# Altium PCB relay_matrix.PcbDoc (part 2 of 9) (continued)
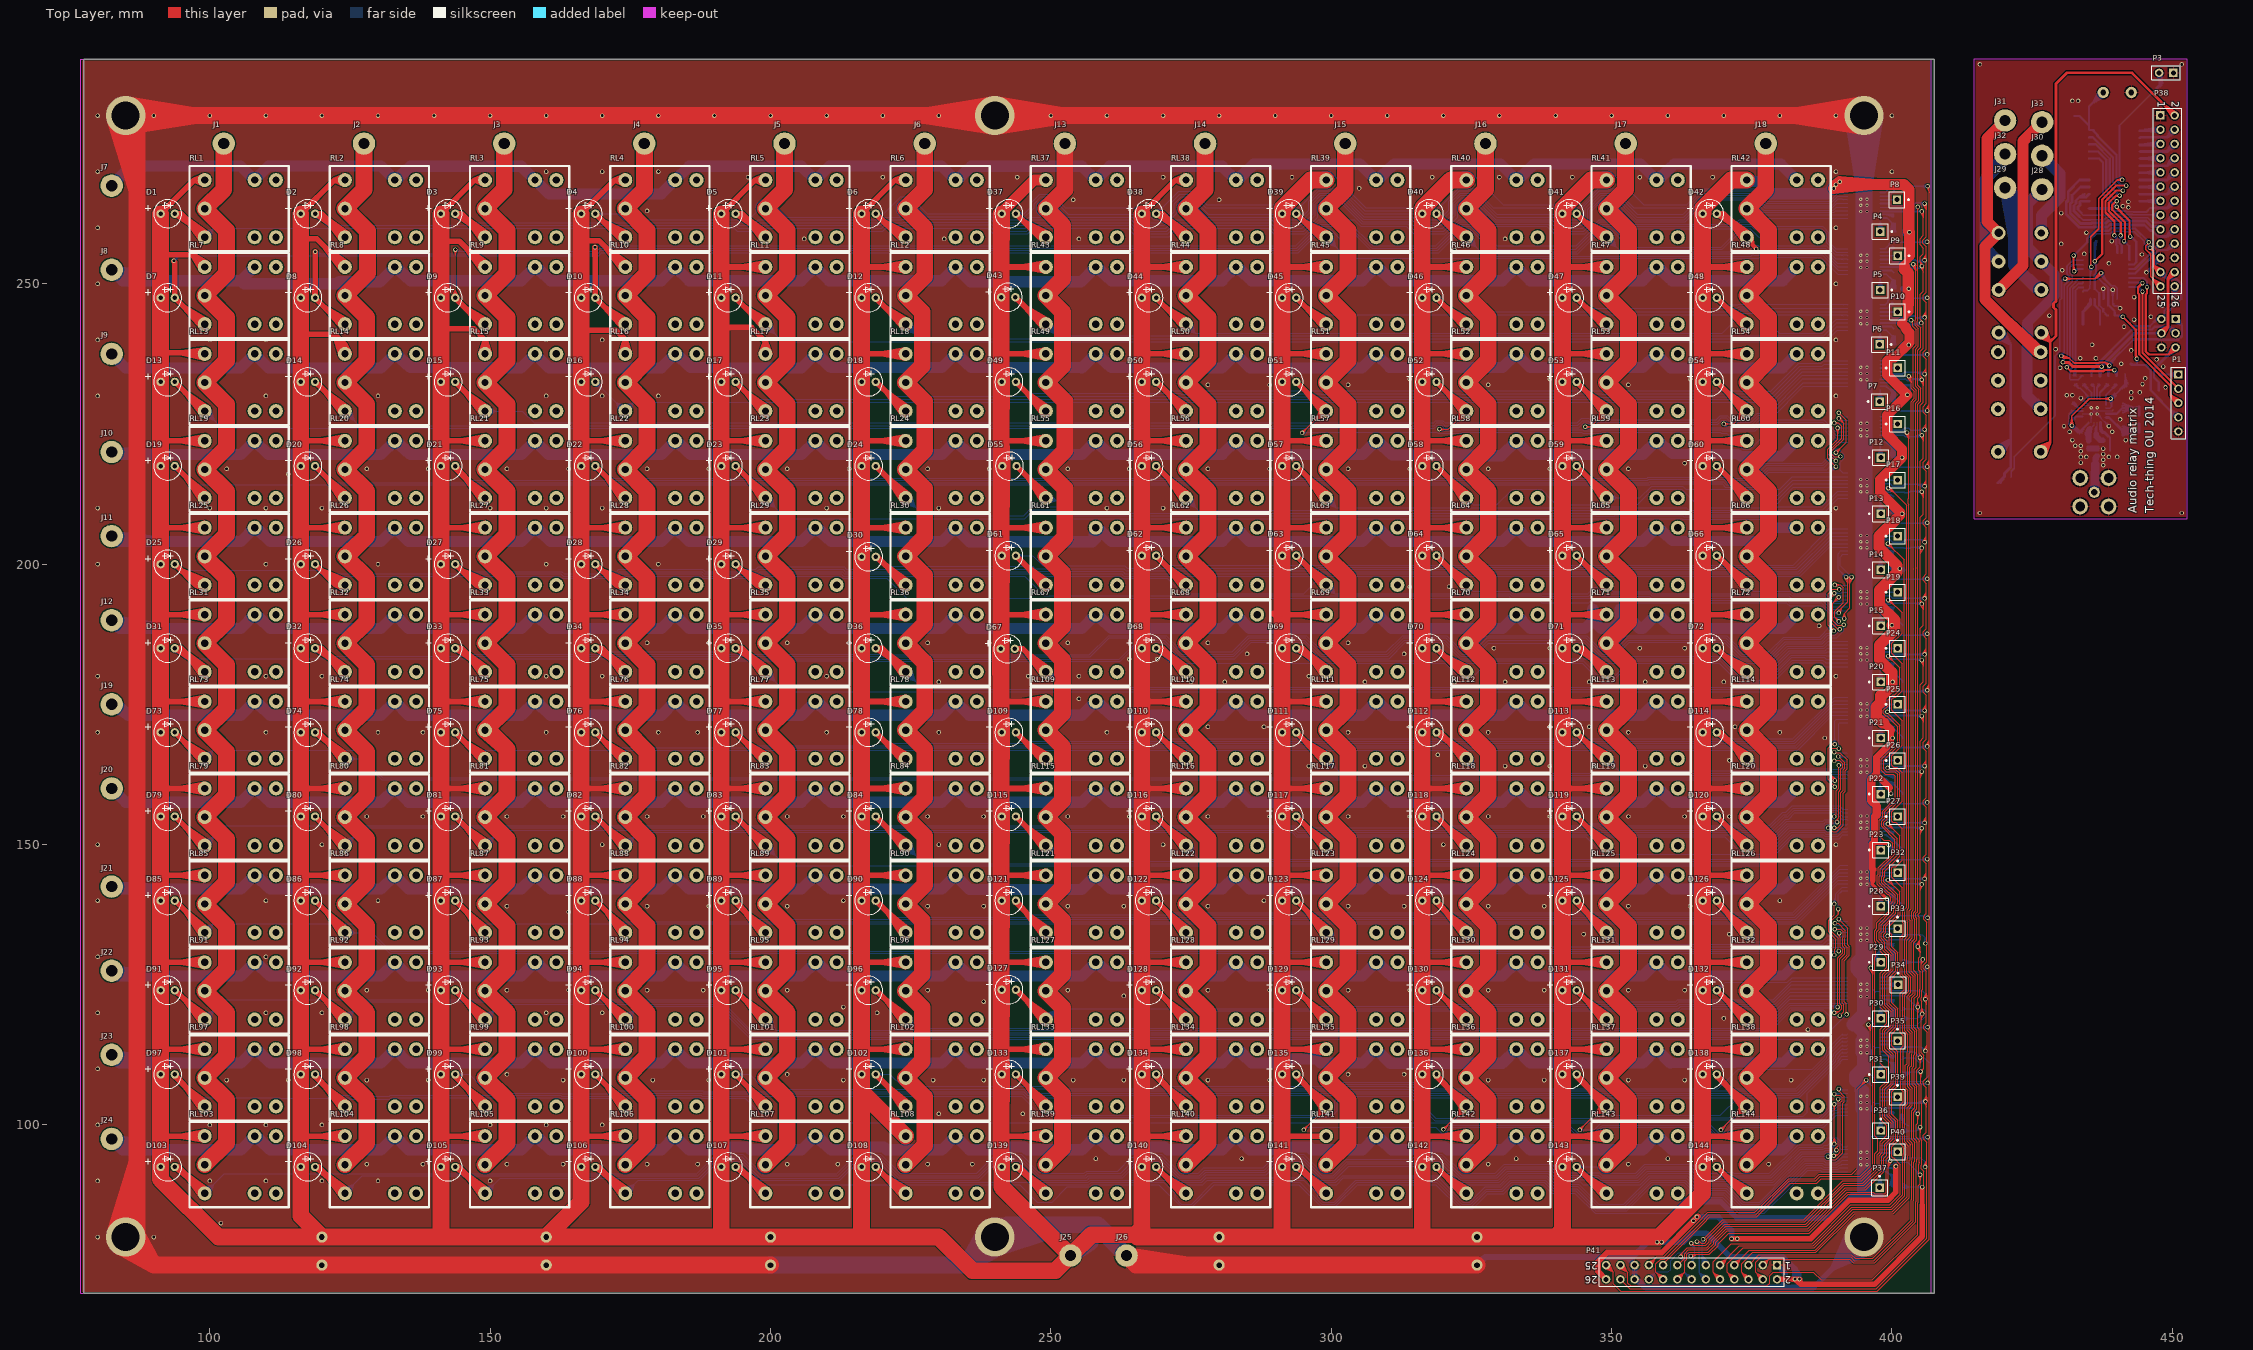
[diagram p0: Top Layer view]
## Nets (pads, with @x,y where several pads share a name; then routed paths per layer and width w, separated by ;. In a path a pad name is that pad's centre, name@x,y a point inside that pad or via, vN(x,y) a via of type N, cw(c..) or ccw(c..) an arc to the next point about the centre after c; other vN are vias at no path point) (continued)
  Top Layer w1.2: 396.65,145.556 396.45,145.756 396.45,150.081 396.869,150.501 396.869,154.881 396.994,155.006 ; 399.55,160.15 397.225,162.475 397.225,165.553 399.8,168.128 399.8,170.397 ; 402.599,253.997 403.1,254.497 403.1,255.063
  Top Layer w1.5: 396.994,155.006 397.3,155.312 397.3,156.856 396.3,157.856 396.3,161.55 397.225,162.475 ; 398,176.6 398.55,176.6 399.95,178 v1(400.1,179) ; 398.522,171.675 399.8,170.397
  Top Layer w1.8: 400.7,208.001 401.399,208.7 401.399,209.301 397.872,212.828 397.872,215.073 ; 401.8,242.9 402.525,242.175 402.525,241.907 403.1,241.332 403.1,239.5 400.45,236.85 399.794,236.85 399.15,236.206 399.15,233.75 ; 402.899,245.049 402.899,246.298 ; 397.872,215.073 v1(401.799,219) ; 397.872,215.073 v1(401.799,219) ; 399.15,226.6 v1(402.75,230.2) ; 399.15,226.6 399.15,223.15 401.799,220.501 v1(401.799,219) ; 399.15,226.6 v1(402.75,230.2) ; 399.15,233.75 v1(402.75,230.2) ; 399.15,233.75 402.7,230.2 v1(402.75,230.2)
  Top Layer w2: D37.1@241.23,262.5 241.23,262.718 247.012,268.5 ; 398,176.6 398,175.329 397.175,174.503 397.175,172.847 398.346,171.675 398.522,171.675 ; 399.95,178 399.95,180.732 397.747,182.934 397.747,185.547 400.499,188.299 ; 400.7,208.001 397.685,204.985 397.685,202.997 400.899,199.782 400.899,198.5 397.747,195.348 397.747,192.753 400.499,190.001 ; 402.199,253.05 402.199,252.6 402.899,251.9 402.899,246.298 ; 247.012,268.5 RL37.1@249.1,268.5 ; 247.012,268.5 RL37.1@249.1,268.5 ; 247.012,268.5 RL37.1@249.1,268.5 ; v1(389.6,267) v1(390,267.7) ; v1(389.6,267) v1(390,267.7) ; v1(389.6,267) v1(390,267.7) ; v1(389.6,267) 396.387,267.7 v1(390,267.7) ; v1(389.6,267) v1(390,267.7) ; v1(389.6,267) v1(390.7,268.2) ; v1(390,267.7) v1(390.7,268.2) ; v1(390,267.7) 397.327,267.7 v1(390.7,268.2) ; v1(390,267.7) v1(390.7,268.2) ; v1(390,267.7) v1(390.7,268.2) ; v1(390,267.7) 402.1,267.7 402.999,266.801 402.999,259.301 v1(403.1,259.2) ; v1(400,189.1) 400.499,188.299 ; v1(400,189.1) 400.499,190.001 ; v1(400,189.1) 400.499,188.299 ; v1(400,189.1) 400.499,190.001 ; 400.499,188.299 400.499,190.001 ; v1(403.1,259.2) 403.1,255.063 v1(403.1,259.2)
  Top Layer w3: 91.23,99.25 D97.1@91.23,109 ; 91.23,114.25 D91.1@91.23,124 ; 91.23,130.25 D85.1@91.23,140 ; 91.23,145.25 D79.1@91.23,155 ; 91.23,160.25 D73.1@91.23,170 ; 91.23,207.75 D19.1@91.23,217.5 ; 91.23,222.75 D13.1@91.23,232.5 ; 91.23,237.75 D7.1@91.23,247.5 ; 116.23,99.25 D98.1@116.23,109 ; 116.23,114.25 D92.1@116.23,124 ; 116.23,130.25 D86.1@116.23,140 ; 116.23,145.25 D80.1@116.23,155 ; 116.23,160.25 D74.1@116.23,170 ; 116.23,175.25 D32.1@116.23,185 ; 116.23,207.75 D20.1@116.23,217.5 ; 116.23,222.75 D14.1@116.23,232.5 ; 141.23,82.75 D105.1@141.23,92.5 ; 141.23,99.25 D99.1@141.23,109 ; 141.23,114.25 D93.1@141.23,124 ; 141.23,130.25 D87.1@141.23,140 ; 141.23,145.25 D81.1@141.23,155 ; 141.23,160.25 D75.1@141.23,170 ; 141.23,175.25 D33.1@141.23,185 ; 141.23,207.75 D21.1@141.23,217.5 ; 141.23,222.75 D15.1@141.23,232.5 ; 166.23,99.25 D100.1@166.23,109 ; 166.23,114.25 D94.1@166.23,124 ; 166.23,130.25 D88.1@166.23,140 ; 166.23,145.25 D82.1@166.23,155 ; 166.23,160.25 D76.1@166.23,170 ; 166.23,175.25 D34.1@166.23,185 ; 166.23,207.75 D22.1@166.23,217.5 ; 166.23,222.75 D16.1@166.23,232.5 ; 191.23,82.75 D107.1@191.23,92.5 ; 191.23,99.25 D101.1@191.23,109 ; 191.23,114.25 D95.1@191.23,124 ; 191.23,130.25 D89.1@191.23,140 ; 191.23,145.25 D83.1@191.23,155 ; 191.23,160.25 D77.1@191.23,170 ; 191.23,207.75 D23.1@191.23,217.5 ; 191.23,222.75 D17.1@191.23,232.5 ; 191.23,252.75 D5.1@191.23,262.5 191.23,252.7 D11.1@191.23,247.5 ; 216.23,82.75 D108.1@216.23,92.5 ; 216.23,114.25 D96.1@216.23,124 ; 216.23,130.25 D90.1@216.23,140 ; 216.23,145.25 D84.1@216.23,155 ; 216.23,160.25 D78.1@216.23,170 ; 216.23,175.25 D36.1@216.23,185 ; 216.23,191.55 D30.1@216.23,201.3 ; 216.23,207.75 D24.1@216.23,217.5 ; 216.23,222.75 D18.1@216.23,232.5 ; 216.512,105.633 RL108.1@224.1,98 ; RL108.1@224.1,98.046 216.23,105.916 ; D67.1@241.03,184.9 241.12,175.3 ; 241.12,99.243 D133.1@241.23,109 241.12,113.4 ; 241.12,114.343 D127.1@241.23,124.1 241.12,128.8 ; 241.12,130.243 D121.1@241.23,140 241.12,144.4 ; 241.12,145.243 D115.1@241.23,155 241.12,159.6 ; 241.12,160.243 D109.1@241.23,170 241.12,175.3 ; 241.12,191.743 D61.1@241.23,201.5 241.12,206 ; 241.12,207.725 D55.1@241.33,217.5 241.12,222.3 ; 241.12,222.743 D49.1@241.23,232.5 241.12,237.3 ; 241.12,237.85 D43.1@241.13,247.6 241.12,253 ; 245.136,85.064 J25.1@253.5,76.7 ; 266.23,82.75 D140.1@266.23,92.5 ; 266.23,99.25 D134.1@266.23,109 ; 266.23,114.25 D128.1@266.23,124 ; 266.23,130.25 D122.1@266.23,140 ; 266.23,145.25 D116.1@266.23,155 ; 266.23,160.25 D110.1@266.23,170 ; 266.23,191.75 D62.1@266.23,201.5 ; 266.23,207.75 D56.1@266.23,217.5 ; 266.23,222.75 D50.1@266.23,232.5 ; 291.23,82.75 D141.1@291.23,92.5 ; 291.23,99.25 D135.1@291.23,109 ; 291.23,114.25 D129.1@291.23,124 ; 291.23,130.25 D123.1@291.23,140 ; 291.23,191.75 D63.1@291.23,201.5 ; 291.23,207.75 D57.1@291.23,217.5 ; 291.23,222.75 D51.1@291.23,232.5 ; 316.23,82.75 D142.1@316.23,92.5 ; 316.23,99.25 D136.1@316.23,109 ; 316.23,114.25 D130.1@316.23,124 ; 316.23,130.25 D124.1@316.23,140 ; 316.23,145.25 D118.1@316.23,155 ; 316.23,160.25 D112.1@316.23,170 ; 316.23,191.75 D64.1@316.23,201.5 ; 316.23,207.75 D58.1@316.23,217.5 ; 316.23,222.75 D52.1@316.23,232.5 ; 341.23,82.75 D143.1@341.23,92.5 ; 341.23,99.25 D137.1@341.23,109 ; 341.23,114.25 D131.1@341.23,124 ; 341.23,130.25 D125.1@341.23,140 ; 341.23,145.25 D119.1@341.23,155 ; 341.23,160.25 D113.1@341.23,170 ; 341.23,191.75 D65.1@341.23,201.5 ; 341.23,207.75 D59.1@341.23,217.5 ; 341.23,222.75 D53.1@341.23,232.5 ; 366.23,99.25 D138.1@366.23,109 ; 366.23,114.25 D132.1@366.23,124 ; 366.23,130.25 D126.1@366.23,140 ; 366.23,145.25 D120.1@366.23,155 ; 366.23,191.75 D66.1@366.23,201.5 ; 366.23,207.75 D60.1@366.23,217.5 ; 366.23,222.75 D54.1@366.23,232.5 ; 366.23,237.75 D48.1@366.23,247.5 ; 91.23,90.3 D103.1@91.23,92.5 ; 91.23,90.3 D103.1@91.23,92.5 ; 91.23,90.3 D103.1@91.23,92.5 ; 91.23,90.3 101.53,80 C10.1@120,80 ; D103.1@91.23,92.5 91.23,97.9 D97.1@91.23,109 ; D97.1@91.23,109 91.23,113.7 D91.1@91.23,124 ; D91.1@91.23,124 91.23,129 D85.1@91.23,140 ; D85.1@91.23,140 91.23,144 D79.1@91.23,155 ; D79.1@91.23,155 91.23,160 D73.1@91.23,170 ; D73.1@91.23,170 91.23,175.8 ; 91.23,175.8 D31.1@91.23,185 ; 91.23,175.8 D31.1@91.23,185 ; D31.1@91.23,185 91.23,191.2 ; 91.23,191.2 D25.1@91.23,200 ; 91.23,191.2 D25.1@91.23,200 ; D25.1@91.23,200 91.23,206.4 D19.1@91.23,217.5 ; D19.1@91.23,217.5 91.23,221.7 D13.1@91.23,232.5 ; D13.1@91.23,232.5 91.23,237.3 D7.1@91.23,247.5 ; D7.1@91.23,247.5 91.23,252.7 91.23,255.2 ; 91.23,255.2 D1.1@91.23,262.5 91.23,255.2 ; 116.23,83.77 D104.1@116.23,92.5 ; 116.23,83.77 D104.1@116.23,92.5 ; 116.23,83.77 C10.1@120,80 ; D104.1@116.23,92.5 116.23,97.4 D98.1@116.23,109 ; D98.1@116.23,109 116.23,112.7 D92.1@116.23,124 ; D92.1@116.23,124 116.23,128.8 D86.1@116.23,140 ; D86.1@116.23,140 116.23,144.5 D80.1@116.23,155 ; D80.1@116.23,155 116.23,160 D74.1@116.23,170 ; D74.1@116.23,170 116.23,175.2 D32.1@116.23,185 ; D32.1@116.23,185 116.23,190.9 ; 116.23,190.9 D26.1@116.23,200 ; 116.23,190.9 D26.1@116.23,200 ; D26.1@116.23,200 116.23,205.8 D20.1@116.23,217.5 ; D20.1@116.23,217.5 116.23,222.2 D14.1@116.23,232.5 ; D14.1@116.23,232.5 116.23,240.8 ; 116.23,240.8 D8.1@116.23,247.5 ; 116.23,240.8 D8.1@116.23,247.5 ; D8.1@116.23,247.5 116.23,253 116.23,258 ; 116.23,258 D2.1@116.23,262.5 116.23,258 ; C10.1@120,80 141.2,80 ; 141.2,80 141.23,80.03 141.23,80.2 D105.1@141.23,92.5 ; 141.2,80 C12.1@160,80 ; D105.1@141.23,92.5 141.23,98.1 D99.1@141.23,109 ; D99.1@141.23,109 141.23,113.3 D93.1@141.23,124 ; D93.1@141.23,124 141.23,130.1 D87.1@141.23,140 ; D87.1@141.23,140 141.23,144.5 D81.1@141.23,155 ; D81.1@141.23,155 141.23,159.8 D75.1@141.23,170 ; D75.1@141.23,170 141.23,175.1 D33.1@141.23,185 ; D33.1@141.23,185 141.23,190.8 ; 141.23,190.8 D27.1@141.23,200 ; 141.23,190.8 D27.1@141.23,200 ; D27.1@141.23,200 141.23,205.3 D21.1@141.23,217.5 ; D21.1@141.23,217.5 141.23,221.9 D15.1@141.23,232.5 ; D15.1@141.23,232.5 141.23,242 ; 141.23,242 D9.1@141.23,247.5 ; 141.23,242 D9.1@141.23,247.5 ; D9.1@141.23,247.5 141.23,252.8 141.23,257.6 ; 141.23,257.6 D3.1@141.23,262.5 141.23,257.6 ; C12.1@160,80 166.23,86.23 ; C12.1@160,80 191,80 ; 166.23,86.23 D106.1@166.23,92.5 ; 166.23,86.23 D106.1@166.23,92.5 ; D106.1@166.23,92.5 166.23,97.3 D100.1@166.23,109 ; D100.1@166.23,109 166.23,113.8 D94.1@166.23,124 ; D94.1@166.23,124 166.23,129.3 D88.1@166.23,140 ; D88.1@166.23,140 166.23,144.3 D82.1@166.23,155 ; D82.1@166.23,155 166.23,159.5 D76.1@166.23,170 ; D76.1@166.23,170 166.23,175.2 D34.1@166.23,185 ; D34.1@166.23,185 166.23,191 ; 166.23,191 D28.1@166.23,200 ; 166.23,191 D28.1@166.23,200 ; D28.1@166.23,200 166.23,206.8 D22.1@166.23,217.5 ; D22.1@166.23,217.5 166.23,221.7 D16.1@166.23,232.5 ; D16.1@166.23,232.5 166.23,241.7 ; 166.23,241.7 D10.1@166.23,247.5 ; 166.23,241.7 D10.1@166.23,247.5 ; D10.1@166.23,247.5 166.23,252.8 166.23,257.7 ; 166.23,257.7 D4.1@166.23,262.5 166.23,257.7 ; 191,80 191.23,80.23 D107.1@191.23,92.5 ; 191,80 C13.1@200,80 216,80 ; D107.1@191.23,92.5 191.23,98.1 D101.1@191.23,109 ; D101.1@191.23,109 191.23,113.5 D95.1@191.23,124 ; D95.1@191.23,124 191.23,128.8 D89.1@191.23,140 ; D89.1@191.23,140 191.23,144.5 D83.1@191.23,155 ; D83.1@191.23,155 191.23,159.8 D77.1@191.23,170 ; D77.1@191.23,170 191.23,175.4 ; 191.23,175.4 D35.1@191.23,185 ; 191.23,175.4 D35.1@191.23,185 ; D35.1@191.23,185 191.23,191.8 ; 191.23,191.8 D29.1@191.23,200 ; 191.23,191.8 D29.1@191.23,200 ; D29.1@191.23,200 191.23,206.3 D23.1@191.23,217.5 ; D23.1@191.23,217.5 191.23,222.2 D17.1@191.23,232.5 ; D17.1@191.23,232.5 191.23,242.2 ; 191.23,242.2 D11.1@191.23,247.5 ; 191.23,242.2 D11.1@191.23,247.5 ; 216,80 216.23,80.23 D108.1@216.23,92.5 ; 216,80 230,80 236,74 250.8,74 J25.1@253.5,76.7 ; D108.1@216.23,92.5 216.23,105.916 ; 216.23,105.916 D102.1@216.23,109 ; 216.23,105.916 D102.1@216.23,109 ; D102.1@216.23,109 216.23,113.1 D96.1@216.23,124 ; D96.1@216.23,124 216.23,128.9 D90.1@216.23,140 ; D90.1@216.23,140 216.23,144.7 D84.1@216.23,155 ; D84.1@216.23,155 216.23,160 D78.1@216.23,170 ; D78.1@216.23,170 216.23,174.9 D36.1@216.23,185 ; D36.1@216.23,185 216.23,191.5 216.23,206.5 D24.1@216.23,217.5 ; D24.1@216.23,217.5 216.23,222.2 D18.1@216.23,232.5 ; D18.1@216.23,232.5 216.23,237.6 216.23,242.5 ; 216.23,242.5 D12.1@216.23,247.5 ; 216.23,242.5 D12.1@216.23,247.5 ; D12.1@216.23,247.5 216.23,253.5 ; 216.23,253.5 D6.1@216.23,262.5 216.23,253.5 ; 241.12,98 D139.1@241.23,92.5 ; 241.12,98 241.12,92.61 D139.1@241.23,92.5 ; 241.12,98 241.12,113.4 ; 241.12,113.4 241.12,128.8 ; 241.12,128.8 241.12,144.4 ; 241.12,144.4 241.12,159.6 ; 241.12,159.6 241.12,175.3 ; 241.12,175.3 241.12,191 241.12,206 ; 241.12,206 241.12,222.3 ; 241.12,222.3 241.12,237.3 ; 241.12,237.3 241.12,253 ; 241.12,253 D37.1@241.23,262.5 241.12,262.39 241.12,253 ; 241.23,88.97 D139.1@241.23,92.5 ; 241.23,88.97 D139.1@241.23,92.5 ; 241.23,88.97 J25.1@253.5,76.7 ; J25.1@253.5,76.7 257.2,80.4 265.033,80.4 ; 265.033,80.4 265.433,80 C15.1@280,80 291,80 ; 265.033,80.4 266.23,81.597 D140.1@266.23,92.5 ; D140.1@266.23,92.5 266.23,97.9 D134.1@266.23,109 ; D134.1@266.23,109 266.23,113.3 D128.1@266.23,124 ; D128.1@266.23,124 266.23,129.1 D122.1@266.23,140 ; D122.1@266.23,140 266.23,144.5 D116.1@266.23,155 ; D116.1@266.23,155 266.23,159.6 D110.1@266.23,170 ; D110.1@266.23,170 266.23,176.1 ; 266.23,176.1 D68.1@266.23,185 ; 266.23,176.1 D68.1@266.23,185 ; D68.1@266.23,185 266.23,190.6 D62.1@266.23,201.5 ; D62.1@266.23,201.5 266.23,206.5 D56.1@266.23,217.5 ; D56.1@266.23,217.5 266.23,222.2 D50.1@266.23,232.5 ; D50.1@266.23,232.5 266.23,238.2 ; 266.23,238.2 D44.1@266.23,247.5 ; 266.23,238.2 D44.1@266.23,247.5 ; D44.1@266.23,247.5 266.23,253 ; 266.23,253 D38.1@266.23,262.5 266.23,253 ; 291,80 291.23,80.23 D141.1@291.23,92.5 ; 291,80 316,80 ; D141.1@291.23,92.5 291.23,97.7 D135.1@291.23,109 ; D135.1@291.23,109 291.23,112.5 D129.1@291.23,124 ; D129.1@291.23,124 291.23,128.4 D123.1@291.23,140 ; D123.1@291.23,140 291.23,145.4 ; 291.23,145.4 D117.1@291.23,155 ; 291.23,145.4 D117.1@291.23,155 ; D117.1@291.23,155 291.23,160.4 ; 291.23,160.4 D111.1@291.23,170 ; 291.23,160.4 D111.1@291.23,170 ; D111.1@291.23,170 291.23,175.7 ; 291.23,175.7 D69.1@291.23,185 ; 291.23,175.7 D69.1@291.23,185 ; D69.1@291.23,185 291.23,190.8 291.23,191 D63.1@291.23,201.5 ; D63.1@291.23,201.5 291.23,206.3 D57.1@291.23,217.5 ; D57.1@291.23,217.5 291.23,221.5 D51.1@291.23,232.5 ; D51.1@291.23,232.5 291.23,238.1 ; 291.23,238.1 D45.1@291.23,247.5 ; 291.23,238.1 D45.1@291.23,247.5 ; D45.1@291.23,247.5 291.23,253 ; 291.23,253 D39.1@291.23,262.5 ; 291.23,253 D39.1@291.23,262.5 ; D39.1@291.23,262.5 291.32,263.515 ; D39.1@291.23,262.5 291.32,263.515 ; D39.1@291.23,262.5 291.32,262.59 291.32,263.515 ; 291.32,263.515 296.305,268.5 ; 296.305,268.5 RL39.1@299.1,268.5 296.305,268.5 ; 316,80 316.23,80.23 D142.1@316.23,92.5 ; 316,80 C14.1@326,80 340,80 ; D142.1@316.23,92.5 316.23,98.4 D136.1@316.23,109 ; D136.1@316.23,109 316.23,113.7 D130.1@316.23,124 ; D130.1@316.23,124 316.23,128.9 D124.1@316.23,140 ; D124.1@316.23,140 316.23,144.6 D118.1@316.23,155 ; D118.1@316.23,155 316.23,159.6 D112.1@316.23,170 ; D112.1@316.23,170 316.23,175.5 ; 316.23,175.5 D70.1@316.23,185 ; 316.23,175.5 D70.1@316.23,185 ; D70.1@316.23,185 316.23,191.4 D64.1@316.23,201.5 ; D64.1@316.23,201.5 316.23,206.3 D58.1@316.23,217.5 ; D58.1@316.23,217.5 316.23,221.3 D52.1@316.23,232.5 ; D52.1@316.23,232.5 316.23,238.5 ; 316.23,238.5 D46.1@316.23,247.5 ; 316.23,238.5 D46.1@316.23,247.5 ; D46.1@316.23,247.5 316.23,253.5 ; 316.23,253.5 D40.1@316.23,262.5 ; 316.23,253.5 D40.1@316.23,262.5 ; D40.1@316.23,262.5 316.32,263.515 ; D40.1@316.23,262.5 316.32,263.515 ; D40.1@316.23,262.5 316.32,262.59 316.32,263.515 ; 316.32,263.515 321.305,268.5 ; 321.305,268.5 RL40.1@324.1,268.5 321.305,268.5 ; 340,80 341.23,81.23 D143.1@341.23,92.5 ; 340,80 358.489,80 366.23,87.741 ; D143.1@341.23,92.5 341.23,98.4 D137.1@341.23,109 ; D137.1@341.23,109 341.23,113.8 D131.1@341.23,124 ; D131.1@341.23,124 341.23,129.1 D125.1@341.23,140 ; D125.1@341.23,140 341.23,144.2 D119.1@341.23,155 ; D119.1@341.23,155 341.23,159.3 D113.1@341.23,170 ; D113.1@341.23,170 341.23,176 ; 341.23,176 D71.1@341.23,185 ; 341.23,176 D71.1@341.23,185 ; D71.1@341.23,185 341.23,190.6 D65.1@341.23,201.5 ; D65.1@341.23,201.5 341.23,206.8 D59.1@341.23,217.5 ; D59.1@341.23,217.5 341.23,222.3 D53.1@341.23,232.5 ; D53.1@341.23,232.5 341.23,238.1 ; 341.23,238.1 D47.1@341.23,247.5 ; 341.23,238.1 D47.1@341.23,247.5 ; D47.1@341.23,247.5 341.23,253 ; 341.23,253 D41.1@341.23,262.5 ; 341.23,253 D41.1@341.23,262.5 ; D41.1@341.23,262.5 341.32,263.515 ; D41.1@341.23,262.5 341.32,263.515 ; D41.1@341.23,262.5 341.32,262.59 341.32,263.515 ; 341.32,263.515 346.305,268.5 ; 346.305,268.5 RL41.1@349.1,268.5 346.305,268.5 ; 366.23,87.741 D144.1@366.23,92.5 ; 366.23,87.741 D144.1@366.23,92.5 ; D144.1@366.23,92.5 366.23,97.9 D138.1@366.23,109 ; D138.1@366.23,109 366.23,113.3 D132.1@366.23,124 ; D132.1@366.23,124 366.23,129.1 D126.1@366.23,140 ; D126.1@366.23,140 366.23,145 D120.1@366.23,155 ; D120.1@366.23,155 366.23,160.4 ; 366.23,160.4 D114.1@366.23,170 ; 366.23,160.4 D114.1@366.23,170 ; D114.1@366.23,170 366.23,175.7 ; 366.23,175.7 D72.1@366.23,185 ; 366.23,175.7 D72.1@366.23,185 ; D72.1@366.23,185 366.23,190.6 D66.1@366.23,201.5 ; D66.1@366.23,201.5 366.23,207.3 D60.1@366.23,217.5 ; D60.1@366.23,217.5 366.23,222.4 D54.1@366.23,232.5 ; D54.1@366.23,232.5 366.23,237.7 D48.1@366.23,247.5 ; D48.1@366.23,247.5 366.23,253.1 ; 366.23,253.1 D42.1@366.23,262.5 ; 366.23,253.1 D42.1@366.23,262.5 ; D42.1@366.23,262.5 366.32,263.515 ; D42.1@366.23,262.5 366.32,263.515 ; D42.1@366.23,262.5 366.32,262.59 366.32,263.515 ; 366.32,263.515 371.305,268.5 ; 371.305,268.5 RL42.1@374.1,268.5 371.305,268.5
  Bottom Layer w0.2: v1@358.736,79.351 v1@358.187,78.813 ; v1@358.737,78.848 v1@358.175,79.39 ; v1@358.737,79.352 v1@358.175,78.81 ; v1@358.749,78.841 v1@358.087,79.4 ; v1@358.885,79.4 359.92,79.3 ; v1@358.954,79.395 v1@358.087,79.4 ; v1@358.956,78.805 v1@358.187,78.813 ; v1@358.956,78.805 v1@358.175,78.81 ; v1@358.956,79.395 v1@358.175,79.39 ; v1@359,78.817 359.92,79.3 ; 364.88,80.7 363.48,79.3 363.044,79.3 358.5,79.3 v1@358.7,79.1 ; R157.2@400.1,138.976 R157.2@400.1,139 ; R160.2@401.824,109.393 403.439,109.5 ; R160.2@401.824,109.595 403.439,109.5 ; R160.2@401.85,109.194 403.439,109.5 ; R162.2@401.9,89 405.3,89 v1(405.4,88.9) 404.387,89 ; R161.2@401.9,99 404.399,99 ; R159.2@401.9,119 404.5,119 405.35,119.85 405.399,119.801 404.546,119.046 ; R162.2@401.915,88.801 403.2,89 ; R162.2@401.915,89.199 403.2,89 ; R161.2@401.915,98.801 403.2,99 ; R161.2@401.915,99.199 403.2,99 ; R159.2@401.915,118.801 403.2,119 ; R159.2@401.915,119.199 403.2,119 ; R162.2@401.962,88.605 403.2,89 ; R162.2@401.962,89.395 403.2,89 ; R161.2@401.962,98.605 403.2,99 ; R161.2@401.962,99.395 403.2,99 ; R159.2@401.962,118.605 403.2,119 ; R159.2@401.962,119.395 403.2,119 ; R160.2@401.973,108.814 403.439,109.5 ; R162.2@402.038,88.416 403.2,89 ; R162.2@402.038,89.584 403.2,89 ; R161.2@402.038,98.416 403.2,99 ; R161.2@402.038,99.584 403.2,99 ; R159.2@402.038,118.416 403.2,119 ; R159.2@402.038,119.584 403.2,119 ; R160.2@402.07,108.638 403.439,109.5 ; R160.2@402.188,108.474 403.439,109.5 ; v1@404.753,99.771 404.399,99 ; v1(404.999,99.6) 404.399,99 ; v1@405.055,109.203 404.1,109.5 v1@405.055,109.797 ; v1(405.1,109.5) 402.4,109.5 R160.2@401.9,109 403.439,109.5 ; v1@405.17,99.353 404.399,99 ; v1@405.173,119.996 404.546,119.046 ; v1@405.327,88.609 404.387,89 ; v1@405.385,89.2 404.387,89 ; v1@405.566,119.551 404.546,119.046 ; v1@358.087,79.4 v1(358.9,79.1) ; v1@358.087,79.4 359.284,79.3 ; v1(358.1,79.1) v1(358.9,79.1) ; v1(358.1,79.1) 358.844,79.395 v1(358.1,79.1) ; v1(358.1,79.1) 358.844,78.805 v1(358.1,79.1) ; v1(358.1,79.1) v1(358.9,79.1) ; v1(358.1,79.1) 359.284,79.3 ; v1(358.1,79.1) v1@358.7,79.1 ; v1@358.175,78.81 v1(358.9,79.1) ; v1@358.175,78.81 v1@358.7,79.1 ; v1@358.175,79.39 v1(358.9,79.1) ; v1@358.175,79.39 v1@358.7,79.1 ; v1@358.187,78.813 v1(358.9,79.1) ; v1@358.187,78.813 359.284,79.3 ; v1@358.7,79.1 v1(358.9,79.1) ; v1(358.9,79.1) 359.92,79.3
  Bottom Layer w0.3: R158.2@401.9,129 405,129 ; R158.2@401.92,128.751 403.5,129 ; R158.2@401.92,129.249 403.5,129 ; R158.2@401.995,128.458 403.5,129 ; R158.2@401.995,129.542 403.5,129 ; v1@402.966,258.989 R145.2@402.026,259.735 ; v1@402.966,259.411 R145.2@402.026,258.665 ; v1@403.023,258.962 R145.2@401.926,259.449 ; v1@403.023,259.438 R145.2@401.926,258.951 ; v1@403.074,258.951 R145.2@401.9,259.2 ; v1@403.074,259.449 R145.2@401.9,259.2 ; v1@403.126,258.951 R145.2@401.926,258.951 ; v1@403.126,259.449 R145.2@401.926,259.449 ; v1@403.188,258.966 R145.2@402.026,258.665 ; v1@403.188,259.434 R145.2@402.026,259.735 ; v1@405.295,129.643 405,129 ; v1@405.643,129.295 405,129 ; R145.2@401.9,259.2 v1(403.1,259.2) ; R145.2@401.926,258.951 v1(403.1,259.2) ; R145.2@401.926,259.449 v1(403.1,259.2) ; R145.2@402.026,258.665 v1(403.1,259.2) ; R145.2@402.026,259.735 v1(403.1,259.2) ; 405,129 v1(405.5,129.5) 405,129
  Bottom Layer w0.5: R156.2@399.697,148.799 v1(399.399,149.9) ; v1(399.799,159.1) 400,159.1 R155.2@400.1,159 ; v1(400,189.1) R152.2@400.1,189 ; R156.2@400.393,149.341 v1(399.399,149.9) ; v1(399.099,140.3) R157.2@400.1,139 ; v1(399.099,140.3) 400.416,139.321 v1(399.099,140.3) ; v1(399.099,140.3) R157.2@400.1,139.3 ; v1(399.099,140.3) 399.709,138.777 v1(399.099,140.3) ; v1(399.099,140.3) R157.2@400.1,139 ; v1(399.099,140.3) R157.2@400.1,139.3 ; v1@399.399,149.737 R156.2@400.1,149 ; v1@399.399,149.737 R156.2@400.349,149.375 ; v1@399.399,149.737 R156.2@399.713,148.77 ; v1@399.399,149.737 R156.2@400.1,149 ; v1@399.399,149.737 R156.2@400.349,149.375 ; v1@399.399,149.737 R156.2@399.713,148.77 ; v1@399.399,149.737 v1(399.399,149.9) ; v1@399.399,149.737 R156.2@400.1,149.036 ; v1(399.399,149.9) R156.2@400.1,149 ; v1(399.399,149.9) R156.2@400.349,149.375 ; v1(399.399,149.9) R156.2@400.1,149 ; v1(399.399,149.9) R156.2@400.349,149.375 ; v1(399.399,149.9) R156.2@400.1,149.036 ; v1(399.399,149.9) R156.2@399.713,148.77 ; v1(399.399,149.9) R156.2@399.713,148.77 ; v1(399.399,149.9) R156.2@400.1,149 ; R157.2@400.1,139 R157.2@400.1,139.3 ; R156.2@400.1,149 R156.2@400.1,149.036
  Bottom Layer w0.6: v1@358.7,79.1 v1(358.1,79.1) v1(358.9,79.1)
  Bottom Layer w0.8: 382.7,74.3 383.5,73.5 v1(383.5,72.5) ; R148.2@401.9,229 402.75,229.85 v1(402.75,230.2)
  Bottom Layer w1: v1(358.9,79.1) 362.844,79.1 363.044,79.3 364.444,80.7 364.88,80.7 366.9,80.7 371.15,76.45 380.55,76.45 382.7,74.3 ; v1(401.8,209) R150.2@401.9,209 ; R148.2@401.9,229 v1@402.75,229.85 ; R146.2@401.9,249.1 v1(403,249.1) ; v1(382.7,72.5) 382.7,74.3 ; v1(382.7,72.5) v1(383.5,72.5) ; v1(382.7,72.5) v1(383.5,72.5) ; v1(382.7,72.5) 382.7,74.3 ; 382.7,74.3 v1(383.5,72.5) ; R147.2@401.9,239.1 v1(403,239.1) ; R147.2@401.9,239.1 v1(403,239.1) ; R147.2@401.9,239.1 v1(403,239.1) ; R147.2@401.9,239.1 v1(403,239.1) ; R147.2@401.9,239.1 v1(403,239.1)
  Bottom Layer w2: RL42.1@374.1,268.5 376.109,268.25 ; RL42.1@374.1,268.5 376.109,268.25 ; RL42.1@374.1,268.5 374.35,268.25 376.109,268.25 ; 376.109,268.25 378.309,266.05 388.35,266.05 ; 388.35,266.05 v1(390,267.7) 388.35,266.05
  Bottom Layer w3: J25.1@253.5,76.7 255.8,79 ; J25.1@253.5,76.7 257,79 255.8,79 ; J25.1@253.5,76.7 255.8,79
  other v1: 400.1,169 401.4,199.2
12VDC: P38.2 RL145.1 RL146.1 | length 120.4
  Top Layer w0.5: RL146.1@425.981,220.883 428.225,221.744 ; RL145.1@426.106,240.446 428.225,239.706 ; RL146.1@426.211,220.432 428.225,221.744 ; RL145.1@426.326,240.902 428.225,239.706 ; RL146.1@426.525,220.044 428.225,221.744 ; RL146.1@426.914,219.729 428.225,221.744 ; RL145.1@427.029,241.605 428.225,239.706 ; RL146.1@427.364,219.499 428.225,221.744 ; RL145.1@427.485,241.825 428.225,239.706 ; P38.2@450.029,279.707 448.605,281.835 P38.2@450.733,280.41 ; P38.2@450.415,280.024 442.815,287.624 431.175,287.624 429.225,285.674 429.225,246.876 428.825,246.476 428.825,245.772 429.225,245.372 429.225,240.706 428.225,239.706 ; 428.225,221.744 428.225,239.706 ; 428.225,239.706 RL145.1@426.638,241.293 428.225,239.706